# Allegro board buddy_lay_rev1.brd (continued)
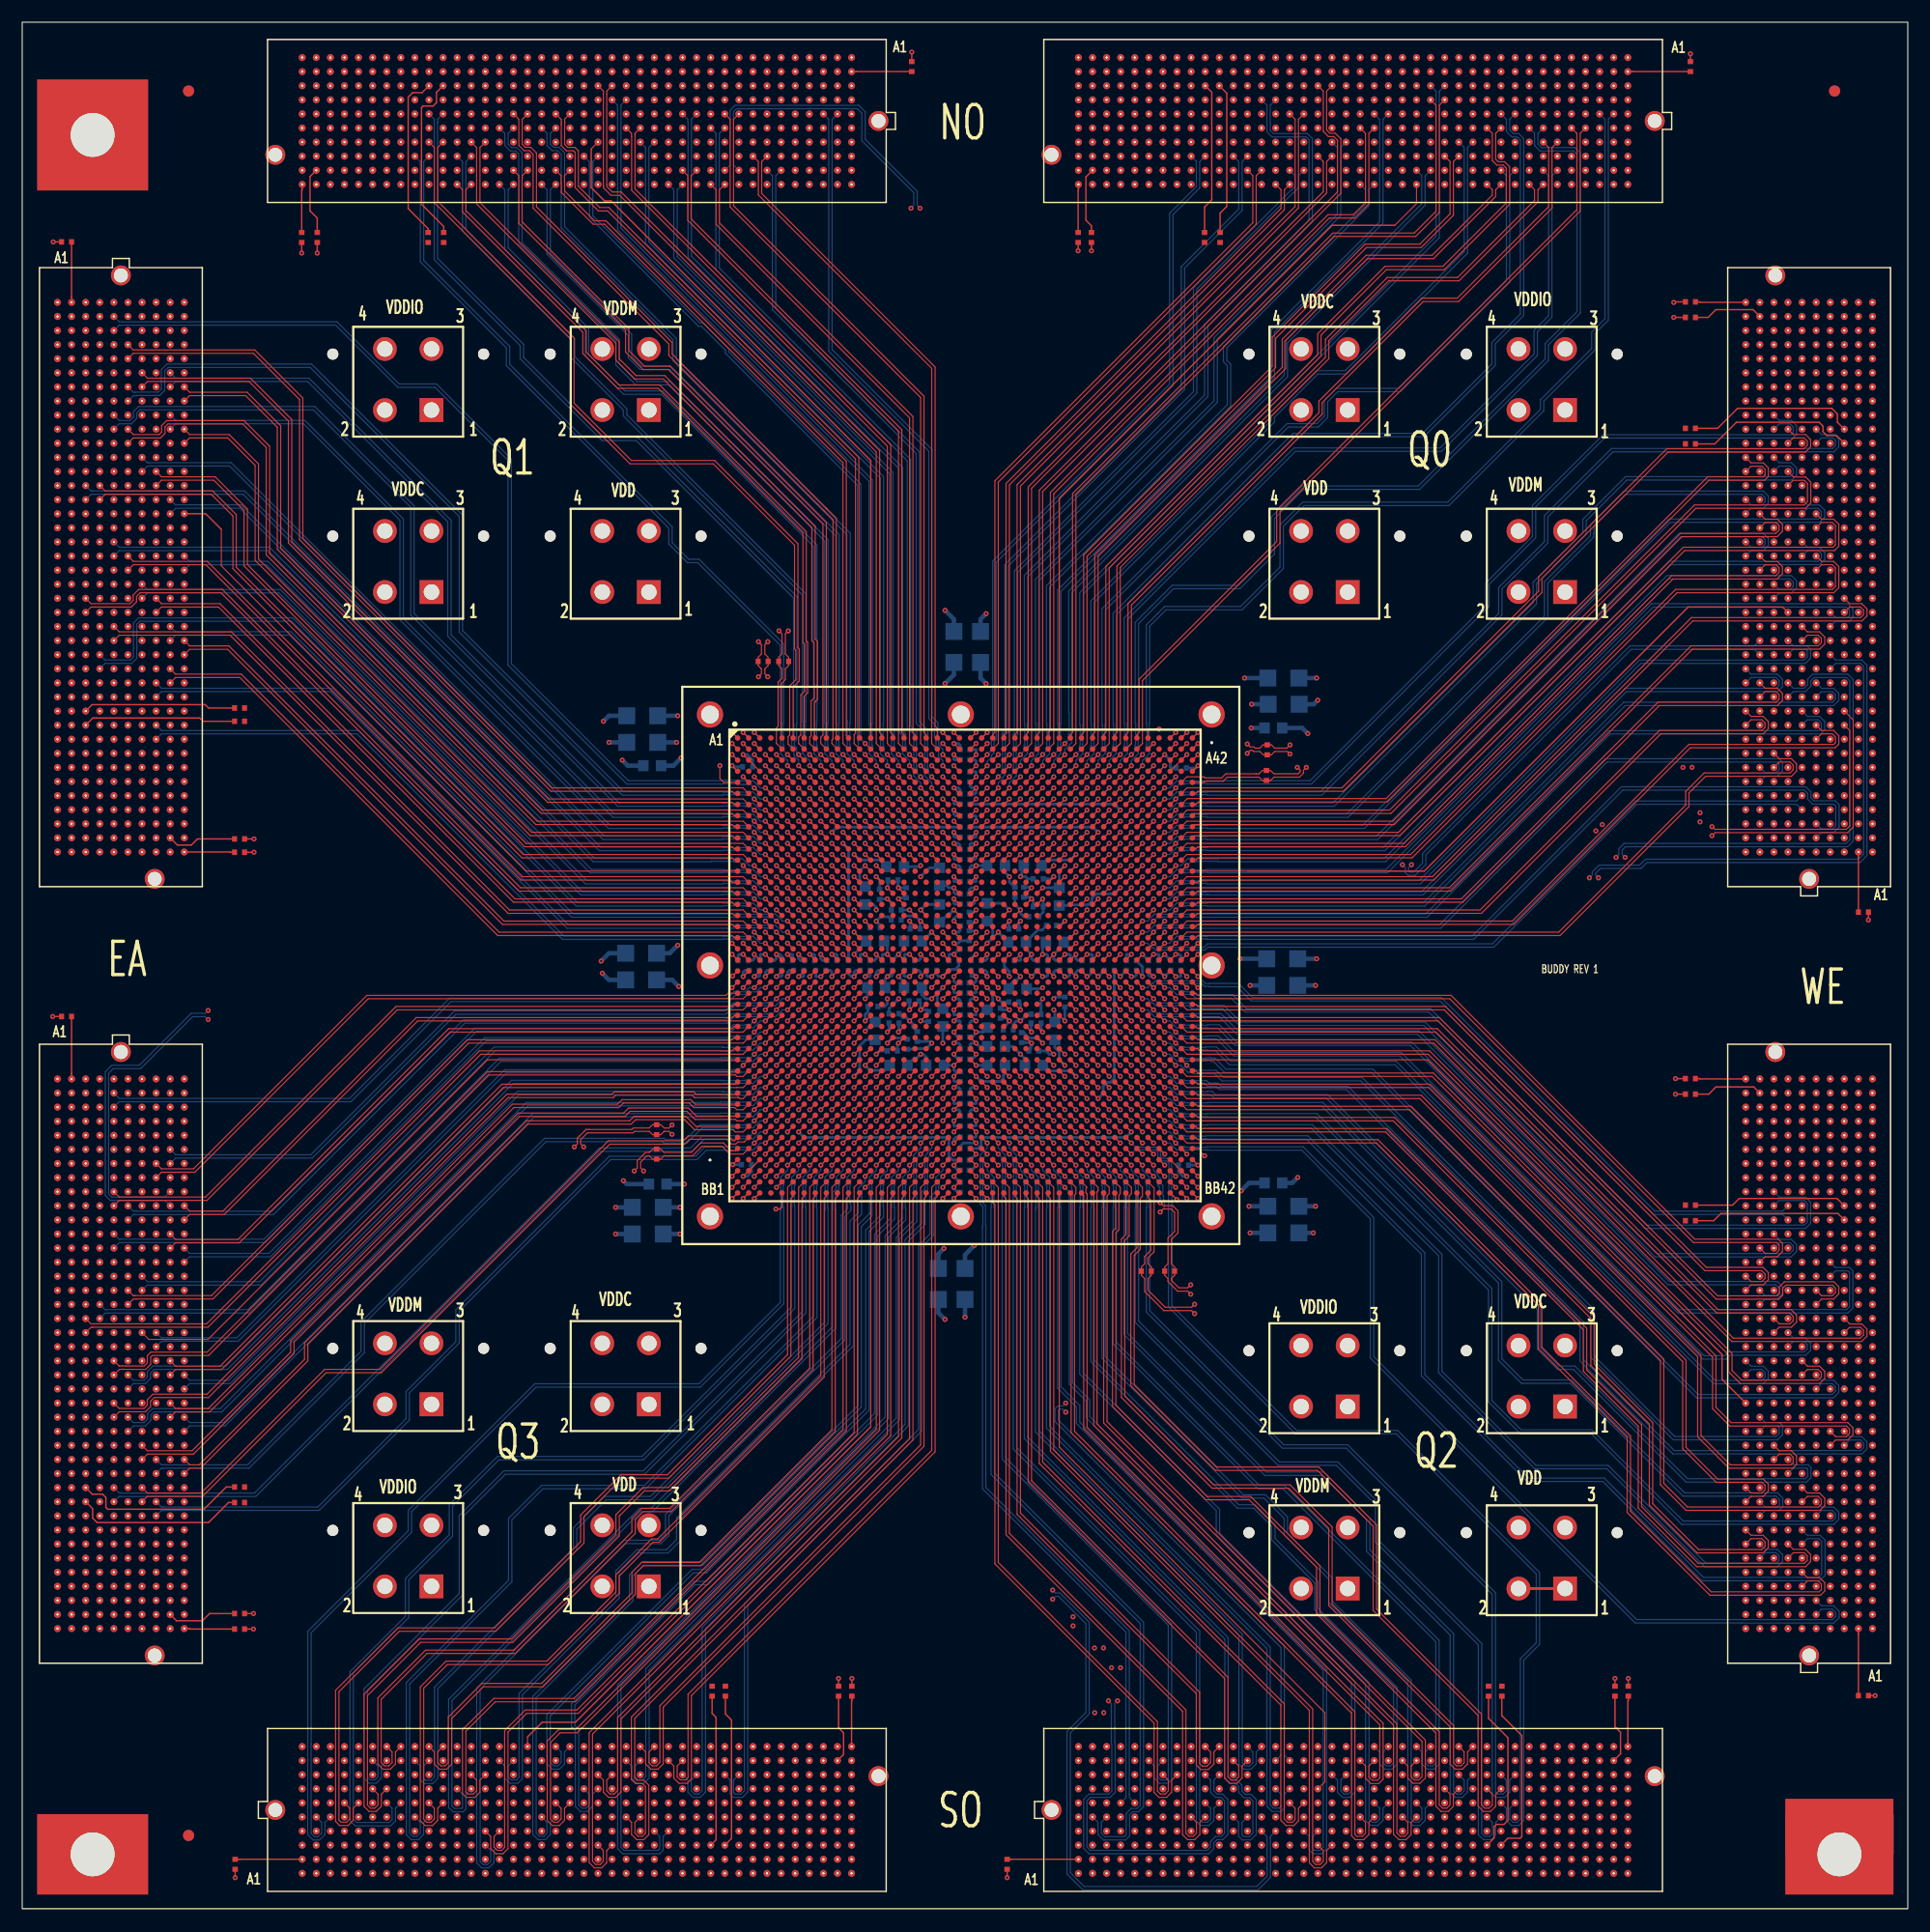
[diagram p0: board, top side]
## Routing (per net, layer and track width the routed paths; a pad name or vN(x,y) marks a point on that pad's centre or on a via; arc(x,y) is an arc through that point) (continued)
54.45,157.13 ; J1.J17 54.93,156.66 ; 134.6,5.25 J5.C32 ; J5.C32 134.6,6.2 ; J5.C32 134.12,5.72 ; J5.C32 135.07,5.72 ; 166.34,50.64 J4.A21 ; J4.A21 166.81,51.12 ; J4.A21 167.29,50.64 ; J4.A21 166.81,50.17 ; J11.1 38.14,118.65 ; J11.1 36.9,117.41 ; J11.1 35.66,118.65 ; J11.1 36.9,119.89 ; 74.77,10.33 J6.G40 ; J6.G40 74.3,10.8 ; J6.G40 75.25,10.8 ; J6.G40 74.77,11.28 ; 4.46,101.58 4.93,101.58 ; 4.46,101.58 4.46,102.05 ; 4.46,101.58 3.98,101.58 ; 4.46,101.58 4.46,101.1 ; J1.A32 35.88,166.81 ; J1.A32 35.4,167.29 ; J1.A32 35.4,166.34 ; J1.A32 34.93,166.81 ; 161.26,68.42 161.74,68.42 ; 161.74,68.42 161.74,68.9 ; 161.74,68.42 162.21,68.42 ; 161.74,68.42 161.74,67.95 ; J7.F27 10.01,41.75 ; J7.F27 9.06,41.75 ; J7.F27 9.54,42.23 ; J7.F27 9.54,41.28 ; 5.25,60.8 5.72,60.8 ; 5.72,60.8 5.72,61.28 ; 5.72,60.8 5.72,60.33 ; 5.72,60.8 6.2,60.8 ; 166.34,70.96 J4.A37 ; J4.A37 167.29,70.96 ; J4.A37 166.81,71.44 ; J4.A37 166.81,70.49 ; 133.33,162.53 J2.D10 ; J2.D10 133.33,163.48 ; J2.D10 133.8,163 ; J2.D10 132.85,163 ; J2.G11 132.53,159.19 ; J2.G11 132.06,159.67 ; J2.G11 132.06,158.72 ; J2.G11 131.58,159.19 ; 120.63,5.25 120.63,5.72 ; 120.63,5.72 120.63,6.2 ; 120.63,5.72 121.1,5.72 ; 120.63,5.72 120.15,5.72 ; J5.F21 120.63,10.01 ; J5.F21 121.1,9.54 ; J5.F21 120.15,9.54 ; J5.F21 120.63,9.06 ; J4.A40 166.81,75.25 ; J4.A40 167.29,74.77 ; J4.A40 166.81,74.3 ; J4.A40 166.34,74.77 ; 143.49,6.52 143.49,7 ; 143.49,7 143.01,7 ; 143.49,7 143.49,7.47 ; 143.49,7 143.96,7 ; J6.D10 37.15,7 ; J6.D10 36.67,7.47 ; J6.D10 36.2,7 ; J6.D10 36.67,6.52 ; 100.31,10.33 100.31,10.8 ; 100.31,10.8 100.78,10.8 ; 100.31,10.8 100.31,11.28 ; 100.31,10.8 99.83,10.8 ; J6.D19 48.58,7 ; J6.D19 48.1,6.52 ; J6.D19 48.1,7.47 ; J6.D19 47.63,7 ; J2.C21 119.36,164.75 ; J2.C21 118.88,164.28 ; J2.C21 119.36,163.8 ; J2.C21 119.83,164.28 ; J3.F36 160.47,140.15 ; J3.F36 159.99,139.68 ; J3.F36 160.47,139.2 ; J3.F36 160.94,139.68 ; 144.76,10.33 J5.G40 ; J5.G40 144.76,11.28 ; J5.G40 145.23,10.8 ; J5.G40 144.28,10.8 ; 3.19,120.15 3.19,120.63 ; 3.19,120.63 3.66,120.63 ; 3.19,120.63 3.19,121.1 ; 3.19,120.63 2.71,120.63 ; J7.K21 15.09,49.37 ; J7.K21 14.62,49.85 ; J7.K21 14.62,48.9 ; J7.K21 14.14,49.37 ; J1.K30 37.94,155.86 ; J1.K30 38.42,155.38 ; J1.K30 37.47,155.38 ; J1.K30 37.94,154.91 ; J1.A25 44.29,167.29 ; J1.A25 44.29,166.34 ; J1.A25 44.77,166.81 ; J1.A25 43.82,166.81 ; J1.B7 67.63,165.54 ; J1.B7 66.68,165.54 ; J1.B7 67.15,166.02 ; J1.B7 67.15,165.07 ; 96.5,14.14 J5.K2 ; J5.K2 96.5,15.09 ; J5.K2 96.97,14.62 ; J5.K2 96.02,14.62 ; J5.F12 109.67,9.54 ; J5.F12 109.2,9.06 ; J5.F12 108.72,9.54 ; J5.F12 109.2,10.01 ; 135.39,164.28 J2.C8 ; J2.C8 136.34,164.28 ; J2.C8 135.87,163.8 ; J2.C8 135.87,164.75 ; 14.62,118.88 J8.K21 ; J8.K21 14.62,119.83 ; J8.K21 14.14,119.36 ; J8.K21 15.09,119.36 ; J2.F33 104.59,160.47 ; J2.F33 104.12,159.99 ; J2.F33 104.12,160.94 ; J2.F33 103.64,160.47 ; 31.59,14.14 J6.K6 ; J6.K6 31.59,15.09 ; J6.K6 32.07,14.62 ; J6.K6 31.12,14.62 ; 97.77,165.07 J2.B38 ; J2.B38 97.77,166.02 ; J2.B38 98.24,165.54 ; J2.B38 97.29,165.54 ; 166.34,34.13 J4.A8 ; J4.A8 166.81,33.66 ; J4.A8 167.29,34.13 ; J4.A8 166.81,34.61 ; J3.A24 166.81,124.91 ; J3.A24 166.81,123.96 ; J3.A24 167.29,124.44 ; J3.A24 166.34,124.44 ; 156.18,41.75 J4.J14 ; J4.J14 157.13,41.75 ; J4.J14 156.66,42.23 ; J4.J14 156.66,41.28 ; 65.41,159.19 J1.G8 ; J1.G8 65.88,158.72 ; J1.G8 65.88,159.67 ; J1.G8 66.36,159.19 ; 112.53,14.62 J5.K15 ; J5.K15 113.01,15.09 ; J5.K15 113.01,14.14 ; J5.K15 113.48,14.62 ; 165.07,101.58 J3.B6 ; J3.B6 165.54,102.05 ; J3.B6 165.54,101.1 ; J3.B6 166.02,101.58 ; J4.G20 159.19,49.85 ; J4.G20 159.19,48.9 ; J4.G20 159.67,49.37 ; J4.G20 158.72,49.37 ; J4.A36 167.29,69.69 ; J4.A36 166.81,70.17 ; J4.A36 166.81,69.22 ; J4.A36 166.34,69.69 ; 60.8,5.25 J6.C29 ; J6.C29 60.8,6.2 ; J6.C29 60.33,5.72 ; J6.C29 61.28,5.72 ; 104.12,10.8 104.59,10.8 ; 104.12,10.8 104.12,11.28 ; 104.12,10.8 103.64,10.8 ; 104.12,10.8 104.12,10.33 ; 100.31,5.72 100.31,6.2 ; 100.31,5.72 99.83,5.72 ; 100.31,5.72 100.78,5.72 ; 100.31,5.72 100.31,5.25 ; 95.23,163.8 J2.C40 ; J2.C40 94.75,164.28 ; J2.C40 95.23,164.75 ; J2.C40 95.7,164.28 ; 7,96.5 7.47,96.5 ; 7,96.5 6.52,96.5 ; 7,96.5 7,96.02 ; 7,96.5 7,96.97 ; 155.38,112.53 J3.K15 ; J3.K15 155.86,113.01 ; J3.K15 155.38,113.48 ; J3.K15 154.91,113.01 ; J8.H12 12.07,131.26 ; J8.H12 12.07,130.31 ; J8.H12 12.55,130.79 ; J8.H12 11.6,130.79 ; 60.33,13.35 J6.J29 ; J6.J29 60.8,13.82 ; J6.J29 61.28,13.35 ; J6.J29 60.8,12.87 ; J3.G29 159.67,130.79 ; J3.G29 158.72,130.79 ; J3.G29 159.19,131.26 ; J3.G29 159.19,130.31 ; 7.79,124.44 J8.E17 ; J8.E17 8.74,124.44 ; J8.E17 8.27,124.91 ; J8.E17 8.27,123.96 ; J2.C12 131.26,164.28 ; J2.C12 130.79,164.75 ; J2.C12 130.79,163.8 ; J2.C12 130.31,164.28 ; 65.41,3.19 J6.A33 ; J6.A33 66.36,3.19 ; J6.A33 65.88,3.66 ; J6.A33 65.88,2.71 ; J2.D6 138.88,163 ; J2.D6 138.41,162.53 ; J2.D6 138.41,163.48 ; J2.D6 137.93,163 ; 138.41,12.87 J5.J35 ; J5.J35 137.93,13.35 ; J5.J35 138.41,13.82 ; J5.J35 138.88,13.35 ; J3.C16 164.75,114.28 ; J3.C16 164.28,113.8 ; J3.C16 164.28,114.75 ; J3.C16 163.8,114.28 ; 14.62,41.28 J7.K27 ; J7.K27 15.09,41.75 ; J7.K27 14.62,42.23 ; J7.K27 14.14,41.75 ; J4.H24 157.93,54.93 ; J4.H24 158.4,54.45 ; J4.H24 157.45,54.45 ; J4.H24 157.93,53.98 ; 164.28,123.96 J3.C24 ; J3.C24 163.8,124.44 ; J3.C24 164.28,124.91 ; J3.C24 164.75,124.44 ; J6.E23 53.18,8.74 ; J6.E23 53.18,7.79 ; J6.E23 52.71,8.27 ; J6.E23 53.66,8.27 ; J6.F2 26.99,9.54 ; J6.F2 26.04,9.54 ; J6.F2 26.51,10.01 ; J6.F2 26.51,9.06 ; 109.99,166.81 J2.A28 ; J2.A28 110.47,167.29 ; J2.A28 110.47,166.34 ; J2.A28 110.94,166.81 ; 116.82,156.18 J2.J23 ; J2.J23 116.82,157.13 ; J2.J23 116.34,156.66 ; J2.J23 117.29,156.66 ; 37.94,8.27 38.42,8.27 ; 37.94,8.27 37.47,8.27 ; 37.94,8.27 37.94,8.74 ; 37.94,8.27 37.94,7.79 ; J6.F12 39.21,10.01 ; J6.F12 39.69,9.54 ; J6.F12 38.74,9.54 ; J6.F12 39.21,9.06 ; J8.K12 14.62,131.26 ; J8.K12 14.14,130.79 ; J8.K12 15.09,130.79 ; J8.K12 14.62,130.31 ; 8.27,144.76 8.27,145.23 ; 8.27,144.76 8.27,144.28 ; 8.27,144.76 7.79,144.76 ; 8.27,144.76 8.74,144.76 ; J2.D39 96.97,163 ; J2.D39 96.5,162.53 ; J2.D39 96.5,163.48 ; J2.D39 96.02,163 ; 41.28,160.47 J1.F27 ; J1.F27 42.23,160.47 ; J1.F27 41.75,160.94 ; J1.F27 41.75,159.99 ; 5.72,39.21 5.72,39.69 ; 5.72,39.21 5.25,39.21 ; 5.72,39.21 5.72,38.74 ; 5.72,39.21 6.2,39.21 ; 7,132.85 J8.D10 ; J8.D10 7.47,133.33 ; J8.D10 6.52,133.33 ; J8.D10 7,133.8 ; J1.A5 70.17,166.81 ; J1.A5 69.69,166.34 ; J1.A5 69.69,167.29 ; J1.A5 69.22,166.81 ; 115.07,164.28 J2.C24 ; J2.C24 116.02,164.28 ; J2.C24 115.55,164.75 ; J2.C24 115.55,163.8 ; 96.02,4.46 J5.B2 ; J5.B2 96.5,4.93 ; J5.B2 96.5,3.98 ; J5.B2 96.97,4.46 ; 9.06,107.93 J8.F30 ; J8.F30 9.54,107.45 ; J8.F30 10.01,107.93 ; J8.F30 9.54,108.4 ; J4.B30 166.02,62.07 ; J4.B30 165.54,62.55 ; J4.B30 165.54,61.6 ; J4.B30 165.07,62.07 ; J3.A4 166.81,99.51 ; J3.A4 166.81,98.56 ; J3.A4 167.29,99.04 ; J3.A4 166.34,99.04 ; J1.C1 75.25,164.28 ; J1.C1 74.77,164.75 ; J1.C1 74.77,163.8 ; J1.C1 74.3,164.28 ; J2.A20 120.63,167.29 ; J2.A20 120.15,166.81 ; J2.A20 121.1,166.81 ; J2.A20 120.63,166.34 ; 166.81,65.41 J4.A33 ; J4.A33 167.29,65.88 ; J4.A33 166.81,66.36 ; J4.A33 166.34,65.88 ; 31.12,165.54 J1.B35 ; J1.B35 31.59,165.07 ; J1.B35 31.59,166.02 ; J1.B35 32.07,165.54 ; J1.B26 43.02,166.02 ; J1.B26 43.02,165.07 ; J1.B26 42.55,165.54 ; J1.B26 43.5,165.54 ; 59.53,7 60.01,7 ; 59.53,7 59.53,6.52 ; 59.53,7 59.06,7 ; 59.53,7 59.53,7.47 ; 128.25,14.62 128.72,14.62 ; 128.25,14.62 127.77,14.62 ; 128.25,14.62 128.25,14.14 ; 128.25,14.62 128.25,15.09 ; 165.07,51.91 J4.B22 ; J4.B22 165.54,51.44 ; J4.B22 165.54,52.39 ; J4.B22 166.02,51.91 ; J6.C28 60.01,5.72 ; J6.C28 59.53,6.2 ; J6.C28 59.06,5.72 ; J6.C28 59.53,5.25 ; 34.93,12.07 J6.H9 ; J6.H9 35.4,12.55 ; J6.H9 35.4,11.6 ; J6.H9 35.88,12.07 ; 105.39,163.8 J2.C32 ; J2.C32 105.39,164.75 ; J2.C32 104.91,164.28 ; J2.C32 105.86,164.28 ; 99.04,10.8 99.51,10.8 ; 99.04,10.8 99.04,10.33 ; 99.04,10.8 99.04,11.28 ; 99.04,10.8 98.56,10.8 ; 159.19,71.76 J4.G38 ; J4.G38 159.19,72.71 ; J4.G38 158.72,72.23 ; J4.G38 159.67,72.23 ; 163,43.82 J4.D16 ; J4.D16 163,44.77 ; J4.D16 163.48,44.29 ; J4.D16 162.53,44.29 ; 37.47,13.35 37.94,13.35 ; 37.94,13.35 38.42,13.35 ; 37.94,13.35 37.94,12.87 ; 37.94,13.35 37.94,13.82 ; 139.68,161.26 139.68,161.74 ; 139.68,161.74 139.2,161.74 ; 139.68,161.74 140.15,161.74 ; 139.68,161.74 139.68,162.21 ; 3.19,125.71 3.66,125.71 ; 3.19,125.71 3.19,125.23 ; 3.19,125.71 3.19,126.18 ; 3.19,125.71 2.71,125.71 ; J12.1 56.5,119.89 ; J12.1 57.74,118.65 ; J12.1 55.26,118.65 ; J12.1 56.5,117.41 ; 9.54,67.95 J7.F6 ; J7.F6 9.54,68.9 ; J7.F6 9.06,68.42 ; J7.F6 10.01,68.42 ; 44.29,162.53 J1.D25 ; J1.D25 44.29,163.48 ; J1.D25 43.82,163 ; J1.D25 44.77,163 ; 137.93,165.54 J2.B6 ; J2.B6 138.88,165.54 ; J2.B6 138.41,166.02 ; J2.B6 138.41,165.07 ; J7.J32 13.35,35.88 ; J7.J32 13.82,35.4 ; J7.J32 12.87,35.4 ; J7.J32 13.35,34.93 ; J7.J20 13.35,51.12 ; J7.J20 12.87,50.64 ; J7.J20 13.35,50.17 ; J7.J20 13.82,50.64 ; 154.91,120.63 J3.K21 ; J3.K21 155.38,120.15 ; J3.K21 155.86,120.63 ; J3.K21 155.38,121.1 ; J1.J4 71.44,156.66 ; J1.J4 70.96,156.18 ; J1.J4 70.96,157.13 ; J1.J4 70.49,156.66 ; J7.A33 3.19,34.61 ; J7.A33 3.19,33.66 ; J7.A33 2.71,34.13 ; J7.A33 3.66,34.13 ; 124.44,166.34 J2.A17 ; J2.A17 123.96,166.81 ; J2.A17 124.44,167.29 ; J2.A17 124.91,166.81 ; J8.K2 14.62,143.96 ; J8.K2 14.62,143.01 ; J8.K2 14.14,143.49 ; J8.K2 15.09,143.49 ; 166.81,38.74 J4.A12 ; J4.A12 167.29,39.21 ; J4.A12 166.81,39.69 ; J4.A12 166.34,39.21 ; J4.D2 163.48,26.51 ; J4.D2 163,26.04 ; J4.D2 163,26.99 ; J4.D2 162.53,26.51 ; 13.35,94.75 J8.J40 ; J8.J40 13.35,95.7 ; J8.J40 13.82,95.23 ; J8.J40 12.87,95.23 ; 113.01,9.06 J5.F15 ; J5.F15 112.53,9.54 ; J5.F15 113.01,10.01 ; J5.F15 113.48,9.54 ; 68.42,4.46 68.9,4.46 ; 68.42,4.46 68.42,4.93 ; 68.42,4.46 67.95,4.46 ; 68.42,4.46 68.42,3.98 ; 13.35,120.15 J8.J20 ; J8.J20 13.82,120.63 ; J8.J20 13.35,121.1 ; J8.J20 12.87,120.63 ; 62.07,161.74 62.07,162.21 ; 62.07,161.74 62.07,161.26 ; 62.07,161.74 61.6,161.74 ; 62.07,161.74 62.55,161.74 ; 69.69,9.06 69.69,9.54 ; 69.69,9.54 69.69,10.01 ; 69.69,9.54 70.17,9.54 ; 69.69,9.54 69.22,9.54 ; 74.77,161.74 75.25,161.74 ; 74.77,161.74 74.77,162.21 ; 74.77,161.74 74.77,161.26 ; 74.77,161.74 74.3,161.74 ; 112.53,165.54 J2.B26 ; J2.B26 113.01,165.07 ; J2.B26 113.48,165.54 ; J2.B26 113.01,166.02 ; J7.B10 4.46,63.82 ; J7.B10 4.93,63.34 ; J7.B10 4.46,62.87 ; J7.B10 3.98,63.34 ; J1.J1 75.25,156.66 ; J1.J1 74.77,156.18 ; J1.J1 74.3,156.66 ; J1.J1 74.77,157.13 ; J4.K30 155.86,62.07 ; J4.K30 155.38,61.6 ; J4.K30 154.91,62.07 ; J4.K30 155.38,62.55 ; J2.A40 95.23,167.29 ; J2.A40 95.7,166.81 ; J2.A40 95.23,166.34 ; J2.A40 94.75,166.81 ; J1.C40 25.72,164.28 ; J1.C40 25.24,164.75 ; J1.C40 24.77,164.28 ; J1.C40 25.24,163.8 ; 30.32,3.19 30.32,3.66 ; 30.32,3.19 30.8,3.19 ; 30.32,3.19 29.85,3.19 ; 30.32,3.19 30.32,2.71 ; 7,47.63 J7.D22 ; J7.D22 7.47,48.1 ; J7.D22 6.52,48.1 ; J7.D22 7,48.58 ; J6.H18 46.83,12.55 ; J6.H18 46.36,12.07 ; J6.H18 47.31,12.07 ; J6.H18 46.83,11.6 ; 5.72,54.45 6.2,54.45 ; 5.72,54.45 5.72,54.93 ; 5.72,54.45 5.72,53.98 ; 5.72,54.45 5.25,54.45 ; 14.62,126.5 J8.K15 ; J8.K15 15.09,126.98 ; J8.K15 14.14,126.98 ; J8.K15 14.62,127.45 ; 56.52,4.46 J6.B26 ; J6.B26 56.99,4.93 ; J6.B26 56.99,3.98 ; J6.B26 57.47,4.46 ; J1.A4 70.96,167.29 ; J1.A4 70.49,166.81 ; J1.A4 70.96,166.34 ; J1.A4 71.44,166.81 ; 125.23,164.28 J2.C16 ; J2.C16 125.71,164.75 ; J2.C16 125.71,163.8 ; J2.C16 126.18,164.28 ; 29.85,157.93 J1.H36 ; J1.H36 30.32,158.4 ; J1.H36 30.32,157.45 ; J1.H36 30.8,157.93 ; 4.46,26.51 4.93,26.51 ; 4.46,26.51 4.46,26.99 ; 4.46,26.51 4.46,26.04 ; 4.46,26.51 3.98,26.51 ; J8.H30 12.55,107.93 ; J8.H30 12.07,107.45 ; J8.H30 11.6,107.93 ; J8.H30 12.07,108.4 ; 73.5,3.98 73.5,4.46 ; 73.5,4.46 73.98,4.46 ; 73.5,4.46 73.03,4.46 ; 73.5,4.46 73.5,4.93 ; 73.5,165.07 J1.B2 ; J1.B2 73.03,165.54 ; J1.B2 73.5,166.02 ; J1.B2 73.98,165.54 ; 26.04,155.38 J1.K39 ; J1.K39 26.99,155.38 ; J1.K39 26.51,154.91 ; J1.K39 26.51,155.86 ; J8.E26 8.74,113.01 ; J8.E26 8.27,113.48 ; J8.E26 8.27,112.53 ; J8.E26 7.79,113.01 ; 5.25,144.76 5.72,144.76 ; 5.72,144.76 6.2,144.76 ; 5.72,144.76 5.72,144.28 ; 5.72,144.76 5.72,145.23 ; 157.93,27.31 J4.H3 ; J4.H3 158.4,27.78 ; J4.H3 157.45,27.78 ; J4.H3 157.93,28.26 ; J6.J26 56.99,13.82 ; J6.J26 57.47,13.35 ; J6.J26 56.99,12.87 ; J6.J26 56.52,13.35 ; J6.D6 31.59,7.47 ; J6.D6 31.12,7 ; J6.D6 31.59,6.52 ; J6.D6 32.07,7 ; J4.C5 164.75,30.32 ; J4.C5 163.8,30.32 ; J4.C5 164.28,30.8 ; J4.C5 164.28,29.85 ; 159.99,73.5 J4.F39 ; J4.F39 160.47,73.03 ; J4.F39 160.47,73.98 ; J4.F39 160.94,73.5 ; J4.B10 165.54,37.15 ; J4.B10 166.02,36.67 ; J4.B10 165.54,36.2 ; J4.B10 165.07,36.67 ; J3.D22 163,122.37 ; J3.D22 163,121.42 ; J3.D22 162.53,121.9 ; J3.D22 163.48,121.9 ; 29.85,166.81 J1.A36 ; J1.A36 30.32,166.34 ; J1.A36 30.32,167.29 ; J1.A36 30.8,166.81 ; J2.B27 112.21,165.54 ; J2.B27 111.26,165.54 ; J2.B27 111.74,166.02 ; J2.B27 111.74,165.07 ; J3.A20 167.29,119.36 ; J3.A20 166.81,118.88 ; J3.A20 166.81,119.83 ; J3.A20 166.34,119.36 ; 159.19,99.83 J3.G5 ; J3.G5 159.67,100.31 ; J3.G5 159.19,100.78 ; J3.G5 158.72,100.31 ; J7.E20 8.27,51.12 ; J7.E20 7.79,50.64 ; J7.E20 8.27,50.17 ; J7.E20 8.74,50.64 ; 134.12,155.38 J2.K9 ; J2.K9 134.6,154.91 ; J2.K9 135.07,155.38 ; J2.K9 134.6,155.86 ; J1.D22 48.58,163 ; J1.D22 47.63,163 ; J1.D22 48.1,163.48 ; J1.D22 48.1,162.53 ; 14.62,45.09 J7.K24 ; J7.K24 14.14,45.56 ; J7.K24 14.62,46.04 ; J7.K24 15.09,45.56 ; 113.01,156.18 J2.J26 ; J2.J26 112.53,156.66 ; J2.J26 113.48,156.66 ; J2.J26 113.01,157.13 ; 139.68,2.71 J5.A36 ; J5.A36 139.2,3.19 ; J5.A36 139.68,3.66 ; J5.A36 140.15,3.19 ; J6.H12 39.69,12.07 ; J6.H12 38.74,12.07 ; J6.H12 39.21,11.6 ; J6.H12 39.21,12.55 ; 101.58,165.07 J2.B35 ; J2.B35 101.58,166.02 ; J2.B35 102.05,165.54 ; J2.B35 101.1,165.54 ; 9.54,52.71 J7.F18 ; J7.F18 9.06,53.18 ; J7.F18 9.54,53.66 ; J7.F18 10.01,53.18 ; 118.26,118.65 J15.1 ; J15.1 120.74,118.65 ; J15.1 119.5,117.41 ; J15.1 119.5,119.89 ; 163.8,40.48 J4.C13 ; J4.C13 164.28,40.96 ; J4.C13 164.28,40.01 ; J4.C13 164.75,40.48 ; 11.6,126.98 J8.H15 ; J8.H15 12.07,127.45 ; J8.H15 12.07,126.5 ; J8.H15 12.55,126.98 ; 166.34,64.61 J4.A32 ; J4.A32 166.81,65.09 ; J4.A32 167.29,64.61 ; J4.A32 166.81,64.14 ; 101.58,161.26 101.58,161.74 ; 101.58,161.74 101.58,162.21 ; 101.58,161.74 102.05,161.74 ; 101.58,161.74 101.1,161.74 ; J2.D3 142.22,163.48 ; J2.D3 142.69,163 ; J2.D3 141.74,163 ; J2.D3 142.22,162.53 ; 95.23,10.33 95.23,10.8 ; 95.23,10.8 94.75,10.8 ; 95.23,10.8 95.23,11.28 ; 95.23,10.8 95.7,10.8 ; J2.C29 109.2,164.75 ; J2.C29 109.2,163.8 ; J2.C29 109.67,164.28 ; J2.C29 108.72,164.28 ; J2.D16 125.71,163.48 ; J2.D16 125.23,163 ; J2.D16 126.18,163 ; J2.D16 125.71,162.53 ; 54.45,161.74 54.45,162.21 ; 54.45,161.74 54.93,161.74 ; 54.45,161.74 54.45,161.26 ; 54.45,161.74 53.98,161.74 ; 155.38,42.55 J4.K15 ; J4.K15 155.38,43.5 ; J4.K15 155.86,43.02 ; J4.K15 154.91,43.02 ; 69.22,156.66 J1.J5 ; J1.J5 70.17,156.66 ; J1.J5 69.69,156.18 ; J1.J5 69.69,157.13 ; J1.A40 25.72,166.81 ; J1.A40 24.77,166.81 ; J1.A40 25.24,166.34 ; J1.A40 25.24,167.29 ; 104.91,9.54 J5.F9 ; J5.F9 105.39,9.06 ; J5.F9 105.86,9.54 ; J5.F9 105.39,10.01 ; J5.C29 130.79,6.2 ; J5.C29 130.79,5.25 ; J5.C29 131.26,5.72 ; J5.C29 130.31,5.72 ; 2.71,25.24 J7.A40 ; J7.A40 3.66,25.24 ; J7.A40 3.19,24.77 ; J7.A40 3.19,25.72 ; 11.6,123.17 J8.H18 ; J8.H18 12.07,123.64 ; J8.H18 12.55,123.17 ; J8.H18 12.07,122.69 ; J7.B23 4.93,46.83 ; J7.B23 4.46,47.31 ; J7.B23 3.98,46.83 ; J7.B23 4.46,46.36 ; 166.34,95.23 J3.A1 ; J3.A1 167.29,95.23 ; J3.A1 166.81,94.75 ; J3.A1 166.81,95.7 ; J6.A40 75.25,3.19 ; J6.A40 74.3,3.19 ; J6.A40 74.77,2.71 ; J6.A40 74.77,3.66 ; J10.1 57.74,135.05 ; J10.1 55.26,135.05 ; J10.1 56.5,136.29 ; J10.1 56.5,133.81 ; 104.91,5.72 105.39,5.72 ; 105.39,5.72 105.39,5.25 ; 105.39,5.72 105.86,5.72 ; 105.39,5.72 105.39,6.2 ; J6.F18 47.31,9.54 ; J6.F18 46.83,10.01 ; J6.F18 46.83,9.06 ; J6.F18 46.36,9.54 ; J8.K30 15.09,107.93 ; J8.K30 14.62,108.4 ; J8.K30 14.62,107.45 ; J8.K30 14.14,107.93 ; 14.62,26.51 14.62,26.99 ; 14.62,26.51 14.14,26.51 ; 14.62,26.51 15.09,26.51 ; 14.62,26.51 14.62,26.04 ; 111.74,13.35 111.74,13.82 ; 111.74,13.35 112.21,13.35 ; 111.74,13.35 111.26,13.35 ; 111.74,13.35 111.74,12.87 ; J7.G23 11.28,46.83 ; J7.G23 10.33,46.83 ; J7.G23 10.8,46.36 ; J7.G23 10.8,47.31 ; J2.A8 135.87,167.29 ; J2.A8 136.34,166.81 ; J2.A8 135.39,166.81 ; J2.A8 135.87,166.34 ; 36.67,165.07 J1.B31 ; J1.B31 36.2,165.54 ; J1.B31 37.15,165.54 ; J1.B31 36.67,166.02 ; J8.E38 8.74,97.77 ; J8.E38 7.79,97.77 ; J8.E38 8.27,97.29 ; J8.E38 8.27,98.24 ; J6.C40 74.77,6.2 ; J6.C40 75.25,5.72 ; J6.C40 74.3,5.72 ; J6.C40 74.77,5.25 ; J3.B7 165.54,103.32 ; J3.B7 165.54,102.37 ; J3.B7 165.07,102.85 ; J3.B7 166.02,102.85 ; 115.55,7.79 J5.E17 ; J5.E17 116.02,8.27 ; J5.E17 115.55,8.74 ; J5.E17 115.07,8.27 ; 32.39,7 J6.D7 ; J6.D7 32.86,7.47 ; J6.D7 33.34,7 ; J6.D7 32.86,6.52 ; 3.19,130.31 3.19,130.79 ; 3.19,130.79 2.71,130.79 ; 3.19,130.79 3.19,131.26 ; 3.19,130.79 3.66,130.79 ; 33.66,164.28 J1.C33 ; J1.C33 34.13,163.8 ; J1.C33 34.13,164.75 ; J1.C33 34.61,164.28 ; 164.28,48.9 J4.C20 ; J4.C20 164.28,49.85 ; J4.C20 164.75,49.37 ; J4.C20 163.8,49.37 ; J6.H6 31.59,12.55 ; J6.H6 31.59,11.6 ; J6.H6 31.12,12.07 ; J6.H6 32.07,12.07 ; 54.45,9.06 J6.F24 ; J6.F24 53.98,9.54 ; J6.F24 54.93,9.54 ; J6.F24 54.45,10.01 ; 111.74,3.98 J5.B14 ; J5.B14 112.21,4.46 ; J5.B14 111.74,4.93 ; J5.B14 111.26,4.46 ; 7,125.23 J8.D16 ; J8.D16 7.47,125.71 ; J8.D16 6.52,125.71 ; J8.D16 7,126.18 ; 160.47,112.53 J3.F15 ; J3.F15 160.47,113.48 ; J3.F15 160.94,113.01 ; J3.F15 159.99,113.01 ; 99.04,5.72 99.51,5.72 ; 99.04,5.72 98.56,5.72 ; 99.04,5.72 99.04,6.2 ; 99.04,5.72 99.04,5.25 ; 12.87,128.25 J8.J14 ; J8.J14 13.82,128.25 ; J8.J14 13.35,127.77 ; J8.J14 13.35,128.72 ; 59.53,166.34 J1.A13 ; J1.A13 59.53,167.29 ; J1.A13 59.06,166.81 ; J1.A13 60.01,166.81 ; J2.H12 130.79,158.4 ; J2.H12 130.79,157.45 ; J2.H12 131.26,157.93 ; J2.H12 130.31,157.93 ; J1.B34 32.86,166.02 ; J1.B34 32.86,165.07 ; J1.B34 32.39,165.54 ; J1.B34 33.34,165.54 ; J1.F18 53.66,160.47 ; J1.F18 52.71,160.47 ; J1.F18 53.18,160.94 ; J1.F18 53.18,159.99 ; 123.96,5.72 124.44,5.72 ; 124.44,5.72 124.44,5.25 ; 124.44,5.72 124.91,5.72 ; 124.44,5.72 124.44,6.2 ; 129.04,163 J2.D13 ; J2.D13 129.99,163 ; J2.D13 129.52,163.48 ; J2.D13 129.52,162.53 ; 3.19,50.64 3.66,50.64 ; 3.19,50.64 3.19,50.17 ; 3.19,50.64 3.19,51.12 ; 3.19,50.64 2.71,50.64 ; J2.G32 105.86,159.19 ; J2.G32 104.91,159.19 ; J2.G32 105.39,159.67 ; J2.G32 105.39,158.72 ; J5.H2 96.5,12.55 ; J5.H2 96.02,12.07 ; J5.H2 96.97,12.07 ; J5.H2 96.5,11.6 ; J8.G11 10.8,132.53 ; J8.G11 10.33,132.06 ; J8.G11 10.8,131.58 ; J8.G11 11.28,132.06 ; 5.72,140.95 5.72,141.42 ; 5.72,140.95 5.25,140.95 ; 5.72,140.95 5.72,140.47 ; 5.72,140.95 6.2,140.95 ; 5.72,74.77 5.72,75.25 ; 5.72,74.77 6.2,74.77 ; 5.72,74.77 5.72,74.3 ; 5.72,74.77 5.25,74.77 ; 45.56,157.45 J1.H24 ; J1.H24 45.56,158.4 ; J1.H24 45.09,157.93 ; J1.H24 46.04,157.93 ; J1.F12 60.8,160.94 ; J1.F12 60.33,160.47 ; J1.F12 60.8,159.99 ; J1.F12 61.28,160.47 ; 118.88,13.35 J5.J20 ; J5.J20 119.36,13.82 ; J5.J20 119.36,12.87 ; J5.J20 119.83,13.35 ; J1.K15 57.47,155.38 ; J1.K15 56.52,155.38 ; J1.K15 56.99,155.86 ; J1.K15 56.99,154.91 ; 65.88,163.8 J1.C8 ; J1.C8 66.36,164.28 ; J1.C8 65.41,164.28 ; J1.C8 65.88,164.75 ; J3.G11 159.19,108.4 ; J3.G11 159.67,107.93 ; J3.G11 158.72,107.93 ; J3.G11 159.19,107.45 ; 65.41,166.81 J1.A8 ; J1.A8 65.88,167.29 ; J1.A8 65.88,166.34 ; J1.A8 66.36,166.81 ; 156.18,53.18 J4.J23 ; J4.J23 157.13,53.18 ; J4.J23 156.66,52.71 ; J4.J23 156.66,53.66 ; 164.28,98.56 J3.C4 ; J3.C4 164.75,99.04 ; J3.C4 163.8,99.04 ; J3.C4 164.28,99.51 ; 164.28,38.74 J4.C12 ; J4.C12 163.8,39.21 ; J4.C12 164.28,39.69 ; J4.C12 164.75,39.21 ; J3.C32 164.28,135.07 ; J3.C32 163.8,134.6 ; J3.C32 164.75,134.6 ; J3.C32 164.28,134.12 ; J3.C33 164.75,135.87 ; J3.C33 164.28,136.34 ; J3.C33 163.8,135.87 ; J3.C33 164.28,135.39 ; 115.3,44.01 J21.2 ; J21.2 115.3,46.49 ; J21.2 116.54,45.25 ; J21.2 114.06,45.25 ; 95.23,7.79 95.23,8.27 ; 95.23,8.27 95.7,8.27 ; 95.23,8.27 94.75,8.27 ; 95.23,8.27 95.23,8.74 ; J2.D25 114.75,163 ; J2.D25 114.28,163.48 ;